# Altium PCB Pleiades_Frouf.PcbDoc (part 3 of 12)
Units mil, origin at the board's own origin, x right, y up, seen from the top; angles counter-clockwise.
Board outline 12244.09 x 4515.28 mil, 12 copper layers (TOP, GND1, IN1, GND2, POW1, GND3, POW2, GND4, GND5, IN2, GND6, BOT), stack 63.546 mil thick; 1442 components, 702 nets, 4419 pads, 1756 vias.
Unrouted connection lines stored in the file: 1088.
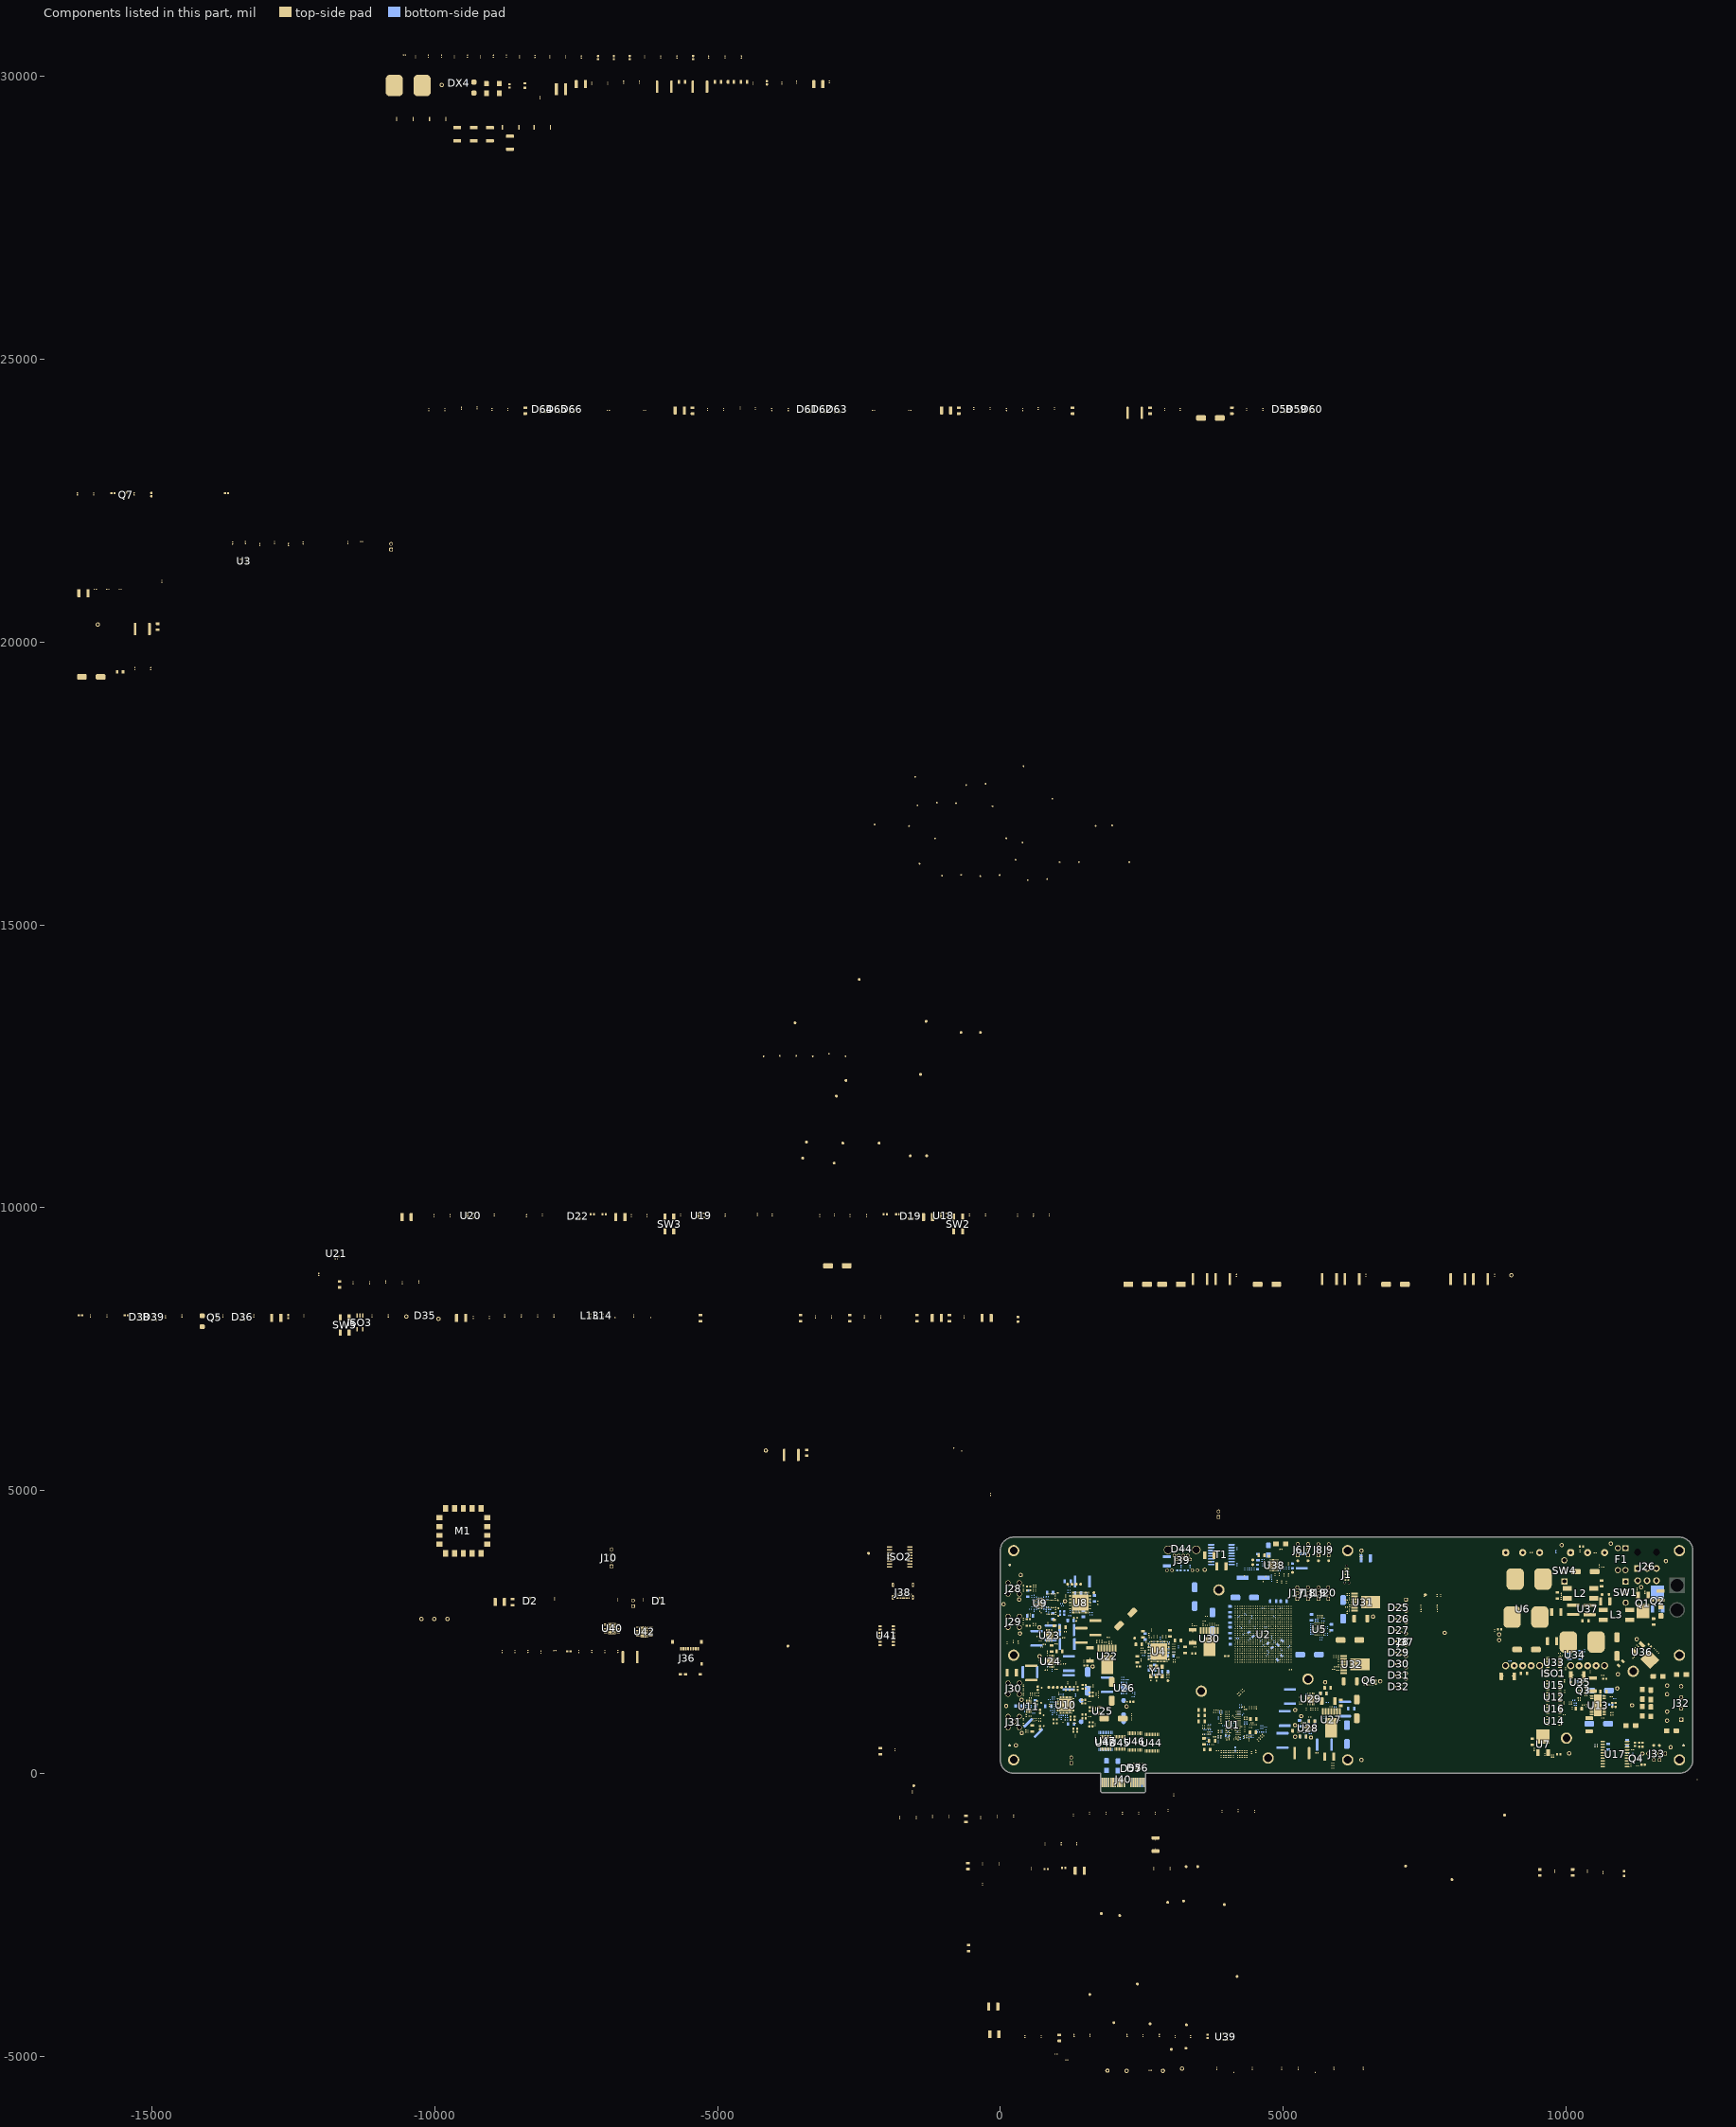
[diagram p13: the components of this part, seen from the top]

## Components (designator, comment, footprint, x,y, rotation, side; value= is the part's Value field where it differs from the comment) (continued)
TP173 "GND_PCI" TP_HOLE 2874.55,-5262.07 r90 top
TP174 "GND" TP_HOLE 3213.13,-5222.7 r90 top
TP175 "12V_PCI" TP_HOLE 1894.23,-5258.13 r90 top
TP176 "3V3_PCI" TP_HOLE 2232.81,-5262.07 r90 top
TP177 "VDD1" TP_PAD 1786.89,-2480.55 r90 top
TP178 "PCI_TCK" TP_PAD 3285,-1650 r90 top
TP179 "PCI_TDI" TP_PAD 3490,-1650 r90 top
TP180 "PCI_TDO" TP_PAD 1581.73,-3911.44 r90 top
TP181 "VDD2" TP_PAD 2110,-2515 r90 top
TP184 "PCI_TMS" TP_PAD 2007.4,-4409.68 r90 top
TP185 "PCI_TRST" TP_PAD 2649.13,-4429.37 r90 top
TP186 "PCI_PERST" TP_PAD 3290.86,-4449.05 r90 top
TP187 "PCI_WAKE" TP_PAD -3426.57,11160.63 r90 top
TP188 "PCI_SMCLK" TP_PAD -2784.84,11140.95 r90 top
TP189 "PCI_SMDAT" TP_PAD -2143.11,11140.95 r90 top
TPX1 "TP_HOLE" TP_HOLE -9877.4,29849.09 r90 top
TPX2 "TP_PAD" TP_PAD -1410.82,12357.52 r90 top
TPX3 "TP_PAD_SMALL" TP_PAD_SMALL -2221.72,16776.49 r90 top
TPX4 "TP_PAD_TINY" TP_PAD_TINY 12322.6,-110.91 r90 top
U1 "MT41K512M16HA-125 :A" FBGA-96 4110.24,858.27 r0 top locked
U2 "XC6SLX100-3FGG676C" FPGA_XILINX_FGG676 4649.61,2456.69 r90 top locked
U3 "STWD100PYW83F" SOT23-5 -13377.18,21430.99 r90 top
U4 "CDCE62005RGZT" TIM_CDCE62005RGZT 2801.18,2151.73 r180 top
U5 "XCF32PFSG48C" TFBGA-48_0.8MM_8X9 5640.26,2546.92 r180 top
U6 "IRE-12/10-Q12P-C" IRE-Q12 9235.87,2901.1 r270 bottom
U7 "NCV2931ADT5.0RKG" DPAK 9595,505.13 r0 top
U8 "ADS62P48IRGCT" ADC_ADS62P48IRGCT 1411.18,3016.76 r270 top
U9 "ADA4927-2YCPZ-R2" OPAMP_ADA4927-2YCPZ-R2 703.03,3001.79 r0 top locked
U10 "AD9146BCPZ" DAC_AD9146BCPZ 1155.16,1208.19 r90 top
U11 "AD8056ARMZ" OPAMP_AD8056ARMZ 499.39,1183 r270 top
U12 "SI8620EB-B-IS" ISO_SI8620EB-B-IS 9788.77,1349.41 r0 top
U13 "DRV8811PWPR" POW_MOTOR_DRV8811PWPR 10567.02,1200.89 r0 top
U14 "SI8620EB-B-IS" ISO_SI8620EB-B-IS 9790,925 r0 top
U15 "SI8620EB-B-IS" ISO_SI8620EB-B-IS 9788.77,1556.99 r0 top
U16 "SI8620EB-B-IS" ISO_SI8620EB-B-IS 9789.31,1139.09 r0 top
U17 "ADM3057EBRWZ" SOIC-20_7.5MM 10865.92,339.52 r0 top
U18 "TC74A0-3.3VCTTR" SEN_TEMP_TC74A0-3.3VCTTR -1001.65,9860.91 r0 top
U19 "TC74A0-3.3VCTTR" SEN_TEMP_TC74A0-3.3VCTTR -5289.05,9860.91 r0 top
U20 "TC74A0-3.3VCTTR" SEN_TEMP_TC74A0-3.3VCTTR -9367.78,9860.91 r0 top
U21 "DS2411R" SOT23-3 -11740,9187.19 r0 top
U22 "LMZ23605TZE/NOPB" REG_SWR_LMZ23605TZE/NOPB 1887.83,1922.18 r180 top value="0.8 ~ 6 V"
U23 "TPS7A4701RGWR" REG_TPS7A4701RGWR 868.84,2436.18 r0 top value="1.4 à 34V"
U24 "TPS7A4701RGWR" REG_TPS7A4701RGWR 887.68,1979.02 r0 top value="1.4 à 34V"
U25 "PTN04050AAZT" REG_SWR_PTN04050AAZT 1824.48,1099.86 r180 bottom value="-15 ~ -3.3V"
U26 "TPS7A3301RGWR" REG_LDO_TPS7A3301RGWR 2191.51,1506.45 r0 bottom value=-1.18V~-33V
U27 "LMZ23605TZE/NOPB" REG_SWR_LMZ23605TZE/NOPB 5850.46,804.48 r180 top value="0.8 ~ 6 V"
U28 "TPS51200DRCT" REG_PMIC_TPS51200DRCT 5435,797.55 r0 top value="DDR, DDR2, DDR3(L), DDR4"
U29 "TPS7A4701RGWR" REG_TPS7A4701RGWR 5489.64,1316.09 r0 top value="1.4 à 34V"
U30 "LMZ23605TZE/NOPB" REG_SWR_LMZ23605TZE/NOPB 3695,2236.93 r180 top value="0.8 ~ 6 V"
U31 "LMZ23605TZE/NOPB" REG_SWR_LMZ23605TZE/NOPB 6550.69,3025.58 r270 top value="0.8 ~ 6 V"
U32 "LMZ23605TZE/NOPB" REG_SWR_LMZ23605TZE/NOPB 6359.03,1922.19 r270 top value="0.8 ~ 6 V"
U33 "ISO7741FDBQR" ISO_ISO7741FDBQR 9788.07,1962.14 r0 top value=3/1
U34 "TLV1572ID" SOIC-8_3.8MM 10160.45,2092.44 r0 bottom
U35 "INA214AQDCKRQ1" "SC-70-6 (SOT-363)" 10246.58,1607.92 r180 bottom
U36 "NCV2931ADT5.0RKG" DPAK 11380.81,2112.61 r225 top
U37 "IRE-24/5-Q12P-C" IRE-Q12 10384.08,2901.1 r270 bottom locked
U38 "KSZ8091MNXCA" COM_ETH_PHY_KSZ8091MNXCA 4844.02,3678.37 r0 top
U39 "OPA991IDBVR" SOT23-5 3980.84,-4663.65 r0 top
U40 "INA4180A1QPWRQ1" TSSOP-14_4.4MM -6865.69,2560.83 r0 top
U41 "ADS7957QDBTRQ1" TSSOP-38_4.4MM -2009.17,2431.89 r0 top
U42 "INA4180A1QPWRQ1" TSSOP-14_4.4MM -6294.17,2501.77 r0 top
U43 "ISO7741DBQR" ISO_ISO7741DBQR 1865,535 r90 top
U44 "ADN4652BRSZ-RL7" TSSOP-20_5.3MM 2680,539.19 r90 top
U45 "SI8640EB-B-IU" ISO_SI8640EB-B-IU 2119.06,535 r90 top
U46 "ADN4652BRSZ-RL7" TSSOP-20_5.3MM 2379.58,560 r90 top
U47 "ADM3260ARSZ" TSSOP-20_5.3MM 1860,570 r270 bottom
X1 "LFXTAL010595" HC49_SMD 4470.91,3454.71 r180 bottom
Y1 "590BD-BDG" OSC_590BD-BDG 2762,1797.68 r270 top value="±7ppm (freq Stability), ±20ppm (freq stability total)"

## Footprints (in the part's own frame and the unit in brackets; to place one, negate y for a bottom-side part, rotate by r counter-clockwise, add the part's x,y. Pads: shape width x height; smd on the part's side, far side on the other; paste and mask are expansions set on the pad)
1101M2S3CQE2 [mm]
  rect 2.775x2.775 / inner round 2.775 / far side rect 2.775x2.775 hole 1.85: 1(-4.7,0)
  round 2.775 hole 1.85: 2(0,0) 3(4.7,0)
  silkscreen extent -6.35,-3.45 6.35,3.45, body extent -6.35,-3.3 6.35,3.3, height 13.35
3568 [mil] "Keystone Fuse Holder"
  rrect10% 105x105 hole 70: 1(-195,67)
  round 105 hole 70: 2(-195,-67) 3(195,-67) 4(195,67)
  round 7.5 on Mech13: ""(-195,67)
  silkscreen extent -320,-140 320,140, body extent -315,-133 315,132, height 295
0297010.WXNV [mil] "10A Fuse WITHOUT HOLDER"
  body extent -215,-78 215,70, height 642
74439346100 [mil]
  rrect25% 55x215 smd: 1(-82,0) 2(82,0)
  silkscreen extent -140,-140 145,140, body extent -131,-135 131,135, height 240
ADC_ADS62P48IRGCT [mm] "QFN, 64-Leads, Body 9,00x9,00mm, Pitch 0,50mm, Thermal Pad 7,40x7,40mm, IPC Medium Density"
  oval 0.8x0.23 smd mask+0.07: 1(-4.475,3.75) 2(-4.475,3.25) 3(-4.475,2.75) 4(-4.475,2.25) 5(-4.475,1.75) 6(-4.475,1.25) 7(-4.475,0.75) 8(-4.475,0.25) 9(-4.475,-0.25) 10(-4.475,-0.75) 11(-4.475,-1.25) 12(-4.475,-1.75) 13(-4.475,-2.25) 14(-4.475,-2.75) 15(-4.475,-3.25) 16(-4.475,-3.75) 33(4.475,-3.75) 34(4.475,-3.25) 35(4.475,-2.75) 36(4.475,-2.25) 37(4.475,-1.75) 38(4.475,-1.25) 39(4.475,-0.75) 40(4.475,-0.25) 41(4.475,0.25) 42(4.475,0.75) 43(4.475,1.25) 44(4.475,1.75) 45(4.475,2.25) 46(4.475,2.75) 47(4.475,3.25) 48(4.475,3.75)
  oval 0.23x0.8 smd mask+0.07: 17(-3.75,-4.475) 18(-3.25,-4.475) 19(-2.75,-4.475) 20(-2.25,-4.475) 21(-1.75,-4.475) 22(-1.25,-4.475) 23(-0.75,-4.475) 24(-0.25,-4.475) 25(0.25,-4.475) 26(0.75,-4.475) 27(1.25,-4.475) 28(1.75,-4.475) 29(2.25,-4.475) 30(2.75,-4.475) 31(3.25,-4.475) 32(3.75,-4.475) 49(3.75,4.475) 50(3.25,4.475) 51(2.75,4.475) 52(2.25,4.475) 53(1.75,4.475) 54(1.25,4.475) 55(0.75,4.475) 56(0.25,4.475) 57(-0.25,4.475) 58(-0.75,4.475) 59(-1.25,4.475) 60(-1.75,4.475) 61(-2.25,4.475) 62(-2.75,4.475) 63(-3.25,4.475) 64(-3.75,4.475)
  rect 7.4x7.4 smd mask+0.07: PAD(0,0)
  silkscreen extent -5.5,-4.72 4.72,4.72, body extent -4.58,-4.57 4.57,4.57, height 1
ATS-CPX025025015-166-C1-R0 [mm]
  round 5.08 hole 3.429: 1(-15,15) 2(15,-15)
  TOP keep-out region: 15,-20.08 13.056,-19.693 11.408,-18.592 10.307,-16.944 9.92,-15 9.92,-15 10.307,-13.056 11.408,-11.408 13.056,-10.307 15,-9.92 15,-9.92 16.944,-10.307 18.592,-11.408 19.693,-13.056 20.08,-15 20.08,-15 19.693,-16.944 18.592,-18.592 16.944,-19.693 15,-20.08
  TOP keep-out region: -15,9.92 -16.944,10.307 -18.592,11.408 -19.693,13.056 -20.08,15 -20.08,15 -19.693,16.944 -18.592,18.592 -16.944,19.693 -15,20.08 -15,20.08 -13.056,19.693 -11.408,18.592 -10.307,16.944 -9.92,15 -9.92,15 -10.307,13.056 -11.408,11.408 -13.056,10.307 -15,9.92
  BOT keep-out region: 15,-20.08 13.056,-19.693 11.408,-18.592 10.307,-16.944 9.92,-15 9.92,-15 10.307,-13.056 11.408,-11.408 13.056,-10.307 15,-9.92 15,-9.92 16.944,-10.307 18.592,-11.408 19.693,-13.056 20.08,-15 20.08,-15 19.693,-16.944 18.592,-18.592 16.944,-19.693 15,-20.08
  BOT keep-out region: -15,9.92 -16.944,10.307 -18.592,11.408 -19.693,13.056 -20.08,15 -20.08,15 -19.693,16.944 -18.592,18.592 -16.944,19.693 -15,20.08 -15,20.08 -13.056,19.693 -11.408,18.592 -10.307,16.944 -9.92,15 -9.92,15 -10.307,13.056 -11.408,11.408 -13.056,10.307 -15,9.92
  silkscreen extent -20.08,-20.08 20.08,20.08, body extent -18.3,-18.29 18.29,18.29, height 17.23
ATS-H1-152-C2-R0 [mm]
  round 5.08 hole 3.429: 1(-20,20) 2(20,-20)
  TOP keep-out region: -20,14.92 -21.944,15.307 -23.592,16.408 -24.693,18.056 -25.08,20 -25.08,20 -24.693,21.944 -23.592,23.592 -21.944,24.693 -20,25.08 -20,25.08 -18.056,24.693 -16.408,23.592 -15.307,21.944 -14.92,20 -14.92,20 -15.307,18.056 -16.408,16.408 -18.056,15.307 -20,14.92
  TOP keep-out region: 20,-25.08 18.056,-24.693 16.408,-23.592 15.307,-21.944 14.92,-20 14.92,-20 15.307,-18.056 16.408,-16.408 18.056,-15.307 20,-14.92 20,-14.92 21.944,-15.307 23.592,-16.408 24.693,-18.056 25.08,-20 25.08,-20 24.693,-21.944 23.592,-23.592 21.944,-24.693 20,-25.08
  BOT keep-out region: -20,14.92 -21.944,15.307 -23.592,16.408 -24.693,18.056 -25.08,20 -25.08,20 -24.693,21.944 -23.592,23.592 -21.944,24.693 -20,25.08 -20,25.08 -18.056,24.693 -16.408,23.592 -15.307,21.944 -14.92,20 -14.92,20 -15.307,18.056 -16.408,16.408 -18.056,15.307 -20,14.92
  BOT keep-out region: 20,-25.08 18.056,-24.693 16.408,-23.592 15.307,-21.944 14.92,-20 14.92,-20 15.307,-18.056 16.408,-16.408 18.056,-15.307 20,-14.92 20,-14.92 21.944,-15.307 23.592,-16.408 24.693,-18.056 25.08,-20 25.08,-20 24.693,-21.944 23.592,-23.592 21.944,-24.693 20,-25.08
  silkscreen extent -25.08,-25.08 25.08,25.08, body extent -24.13,-24.13 24.13,24.13, height 38.5
CAP_0402 [mil]
  rrect50% 20x20 smd paste+0 mask+1.97: 1(-17.5,0) 2(17.5,0)
  silkscreen extent -33,-16 33,16, body extent -19,-10 20,10, height 20
CAP_0603 [mm]
  rrect37% 0.95x0.95 smd: 1(-0.724,0) 2(0.724,0)
  silkscreen extent -1.52,-0.76 1.53,0.77, body extent -0.8,-0.4 0.8,0.4, height 0.9
CAP_1206 [mil]
  rrect25% 44x64 smd: 1(-53,0) 2(53,0)
  silkscreen extent -88,-45 88,45, body extent -63,-31 63,31, height 40
CAP_1812 [mil]
  rrect25% 55x140 smd: 1(-81,0) 2(81,0)
  silkscreen extent -116,-77 116,77, body extent -89,-63 89,63, height 43
CAP_2220 [mil]
  rrect50% 45x215 smd: 1(-127,0) 2(127,0)
  silkscreen extent -160,-115 160,115, body extent -112,-100 112,100, height 138
CAP_ALU_1010_vishay [mm]
  rrect50% 4.4x2.5 smd: 1(8.4,0) 2(0,0)
  silkscreen extent -0.73,-6.05 11.22,5.28, body extent -1.4,-5.18 10.2,5.13, height 10.2
CAP_ALU_1616_vishay [mm]
  rrect50% 7.8x9.6 smd: 1(12.5,0) 2(0,0)
  silkscreen extent -2.7,-8.42 16.68,8.6, body extent -2.7,-8.4 15,8.6, height 16.5
COM_ETH_PHY_KSZ8091MNXCA [mm]
  rect 0.8x0.25 smd: 1(-2.45,1.75) 2(-2.45,1.25) 3(-2.45,0.75) 4(-2.45,0.25) 5(-2.45,-0.25) 6(-2.45,-0.75) 7(-2.45,-1.25) 8(-2.45,-1.75) 17(2.45,-1.75) 18(2.45,-1.25) 19(2.45,-0.75) 20(2.45,-0.25) 21(2.45,0.25) 22(2.45,0.75) 23(2.45,1.25) 24(2.45,1.75)
  rect 0.25x0.8 smd: 9(-1.75,-2.45) 10(-1.25,-2.45) 11(-0.75,-2.45) 12(-0.25,-2.45) 13(0.25,-2.45) 14(0.75,-2.45) 15(1.25,-2.45) 16(1.75,-2.45) 25(1.75,2.45) 26(1.25,2.45) 27(0.75,2.45) 28(0.25,2.45) 29(-0.25,2.45) 30(-0.75,2.45) 31(-1.25,2.45) 32(-1.75,2.45)
  rrect0% 3.4x3.4 smd: 33(0,0)
  round 0.6 hole 0.35: 34(-1.07,1.07) 35(0,1.07) 36(1.07,1.07) 37(-1.07,0) 38(0,0) 39(1.07,0) 40(-1.07,-1.07) 41(0,-1.07) 42(1.07,-1.07)
  silkscreen extent -3.48,-2.98 2.98,2.98, body extent -2.5,-2.5 2.5,2.5, height 0.9
CON_MINIFIT_0039300060 [mm]
  round 0 hole 2.997 unplated mask+0.07: 0(-4.2,2.718) 0(4.2,2.718)
  rect 3x3 hole 1.803 mask+0.07: 1(-4.2,-4.583)
  round 3 hole 1.803 mask+0.07: 2(0,-4.583) 3(4.2,-4.583) 4(-4.2,-10.082) 5(0,-10.082) 6(4.2,-10.082)
  silkscreen extent -7.37,-3.3 6.98,9.4, body extent -7.3,-10.62 6.9,9.32, height 11.4
CONN_ETHERNET_RJHSE-5385 [mil] "Ethernet connector with LEDs"
  round 150 hole 128: 0(-250,-100) 0(250,-100)
  oct 60x60 hole 35: 1(140,0)
  round 60 hole 35: 2(100,70) 3(60,0) 4(20,70) 5(-20,0) 6(-60,70) 7(-100,0) 8(-140,70) 9(270,260) 10(180,260) 11(-180,260) 12(-270,260)
  silkscreen extent -330,-300 335,300, body extent -329,-325 334,313, height 597
CONN_SMA_5-1814400-1 [mm] "SMA Right Angle Jack, 14.8x6.35x9.6mm"
  round 2.2 hole 1.65: 1(0,0) 2(-2.54,2.54) 3(2.54,2.54) 4(-2.54,-2.54) 5(2.54,-2.54)
  silkscreen extent -3.17,-3.17 3.17,3.17, body extent -3.15,-3.16 3.18,11.04, height 10.47
CONN_TERMINAL_OSTTA040161 [mm] "4-pins terminal block"
  rect 1.905x1.905 hole 1.3 mask+0.12: 1(-7.5,0)
  round 1.905 hole 1.3 mask+0.12: 2(-2.5,0) 3(2.5,0) 4(7.5,0)
  silkscreen extent -10.6,-4 10.6,5, body extent -10.67,-3.3 10.49,4.2, height 10.08
DAC_AD9146BCPZ [mm] "QFN, 48-Leads, Body 7x7mm, Pitch 0.5mm, Thermal Pad 5.6x5.6mm, IPC Medium Density"
  oval 0.85x0.28 smd mask+0.07: 1(-3.475,2.75) 2(-3.475,2.25) 3(-3.475,1.75) 4(-3.475,1.25) 5(-3.475,0.75) 6(-3.475,0.25) 7(-3.475,-0.25) 8(-3.475,-0.75) 9(-3.475,-1.25) 10(-3.475,-1.75) 11(-3.475,-2.25) 12(-3.475,-2.75) 25(3.475,-2.75) 26(3.475,-2.25) 27(3.475,-1.75) 28(3.475,-1.25) 29(3.475,-0.75) 30(3.475,-0.25) 31(3.475,0.25) 32(3.475,0.75) 33(3.475,1.25) 34(3.475,1.75) 35(3.475,2.25) 36(3.475,2.75)
  oval 0.28x0.85 smd mask+0.07: 13(-2.75,-3.475) 14(-2.25,-3.475) 15(-1.75,-3.475) 16(-1.25,-3.475) 17(-0.75,-3.475) 18(-0.25,-3.475) 19(0.25,-3.475) 20(0.75,-3.475) 21(1.25,-3.475) 22(1.75,-3.475) 23(2.25,-3.475) 24(2.75,-3.475) 37(2.75,3.475) 38(2.25,3.475) 39(1.75,3.475) 40(1.25,3.475) 41(0.75,3.475) 42(0.25,3.475) 43(-0.25,3.475) 44(-0.75,3.475) 45(-1.25,3.475) 46(-1.75,3.475) 47(-2.25,3.475) 48(-2.75,3.475)
  rect 5.6x5.6 smd mask+0.07: PAD(0,0)
  silkscreen extent -4.47,-3.7 3.7,3.7, body extent -3.55,-3.55 3.55,3.55, height 0.8
DLM11SN900HY2L [mil]
  rrect10% 28x12 smd: 1(-24.61,10.83)
  rrect25% 28x12 smd: 2(24.61,10.83) 3(24.61,-10.83) 4(-24.61,-10.83)
  round 7.5 on Mech13: ""(-24.61,10.83)
  silkscreen extent -24,-25 24,25, body extent -25,-20 25,20, height 24
"DO214AA (SMB)" [mil]
  rect 97x85 smd: 1(-85,0)
  rrect33% 97x85 smd: 2(85,0)
  silkscreen extent -142,-88 152,71, body extent -102,-71 102,71, height 94
DPAK [mil]
  rect 62x120 smd: 1(-90,-141) 2(90,-141)
  rect 230x250 smd paste-999: 3(0,145)
  silkscreen extent -148,-146 129,296, body extent -129,-177 129,215, height 90
FAN_HEADER-4 [mil] "0470531000"
  rrect33% 65x65 hole 44: 1(-150,0)
  round 65 hole 44: 2(-50,0) 3(50,0) 4(150,0)
  round 50 hole 50 unplated: -(50,85.04)
  silkscreen extent -200,-157 200,108, body extent -201,-130 201,100, height 394
FBGA-96 [mm]
  rrect75% 0.4x0.4 smd paste-25.375: A1(-3.2,6)
  round 0.4 smd paste-25.375: A2(-2.4,6) A3(-1.6,6) A7(1.6,6) A8(2.4,6) A9(3.2,6) B1(-3.2,5.2) B2(-2.4,5.2) B3(-1.6,5.2) B7(1.6,5.2) B8(2.4,5.2) B9(3.2,5.2) C1(-3.2,4.4) C2(-2.4,4.4) C3(-1.6,4.4) C7(1.6,4.4) C8(2.4,4.4) C9(3.2,4.4) D1(-3.2,3.6) D2(-2.4,3.6) D3(-1.6,3.6) D7(1.6,3.6) D8(2.4,3.6) D9(3.2,3.6) E1(-3.2,2.8) E2(-2.4,2.8) E3(-1.6,2.8) E7(1.6,2.8) E8(2.4,2.8) E9(3.2,2.8) F1(-3.2,2) F2(-2.4,2) F3(-1.6,2) F7(1.6,2) F8(2.4,2) F9(3.2,2) G1(-3.2,1.2) G2(-2.4,1.2) G3(-1.6,1.2) G7(1.6,1.2) G8(2.4,1.2) G9(3.2,1.2) H1(-3.2,0.4) H2(-2.4,0.4) H3(-1.6,0.4) H7(1.6,0.4) H8(2.4,0.4) H9(3.2,0.4) J1(-3.2,-0.4) J2(-2.4,-0.4) J3(-1.6,-0.4) J7(1.6,-0.4) J8(2.4,-0.4) J9(3.2,-0.4) K1(-3.2,-1.2) K2(-2.4,-1.2) K3(-1.6,-1.2) K7(1.6,-1.2) K8(2.4,-1.2) K9(3.2,-1.2) L1(-3.2,-2) L2(-2.4,-2) L3(-1.6,-2) L7(1.6,-2) L8(2.4,-2) L9(3.2,-2) M1(-3.2,-2.8) M2(-2.4,-2.8) M3(-1.6,-2.8) M7(1.6,-2.8) M8(2.4,-2.8) M9(3.2,-2.8) N1(-3.2,-3.6) N2(-2.4,-3.6) N3(-1.6,-3.6) N7(1.6,-3.6) N8(2.4,-3.6) N9(3.2,-3.6) P1(-3.2,-4.4) P2(-2.4,-4.4) P3(-1.6,-4.4) P7(1.6,-4.4) P8(2.4,-4.4) P9(3.2,-4.4) R1(-3.2,-5.2) R2(-2.4,-5.2) R3(-1.6,-5.2) R7(1.6,-5.2) R8(2.4,-5.2) R9(3.2,-5.2) T1(-3.2,-6) T2(-2.4,-6) T3(-1.6,-6) T7(1.6,-6) T8(2.4,-6) T9(3.2,-6)
  silkscreen extent -4.57,-7.09 4.57,7.09, body extent -4.5,-7 4.5,7, height 1.11
FIDUCIAL [mil]
  round 40 smd paste-999 mask+40: 1(0,0)
  silkscreen extent -65,-65 65,65
FPGA_XILINX_FGG676 [mm]
  round 0.45 smd mask+0.05: A1(-12.5,12.5) A2(-11.5,12.5) A3(-10.5,12.5) A4(-9.5,12.5) A5(-8.5,12.5) A6(-7.5,12.5) A7(-6.5,12.5) A8(-5.5,12.5) A9(-4.5,12.5) A10(-3.5,12.5) A11(-2.5,12.5) A12(-1.5,12.5) A13(-0.5,12.5) A14(0.5,12.5) A15(1.5,12.5) A16(2.5,12.5) A17(3.5,12.5) A18(4.5,12.5) A19(5.5,12.5) A20(6.5,12.5) A21(7.5,12.5) A22(8.5,12.5) A23(9.5,12.5) A24(10.5,12.5) A25(11.5,12.5) A26(12.5,12.5) AA1(-12.5,-7.5) AA2(-11.5,-7.5) AA3(-10.5,-7.5) AA4(-9.5,-7.5) AA5(-8.5,-7.5) AA6(-7.5,-7.5) AA7(-6.5,-7.5) AA8(-5.5,-7.5) AA9(-4.5,-7.5) AA10(-3.5,-7.5) AA11(-2.5,-7.5) AA12(-1.5,-7.5) AA13(-0.5,-7.5) AA14(0.5,-7.5) AA15(1.5,-7.5) AA16(2.5,-7.5) AA17(3.5,-7.5) AA18(4.5,-7.5) AA19(5.5,-7.5) AA20(6.5,-7.5) AA21(7.5,-7.5) AA22(8.5,-7.5) AA23(9.5,-7.5) AA24(10.5,-7.5) AA25(11.5,-7.5) AA26(12.5,-7.5) AB1(-12.5,-8.5) AB2(-11.5,-8.5) AB3(-10.5,-8.5) AB4(-9.5,-8.5) AB5(-8.5,-8.5) AB6(-7.5,-8.5) AB7(-6.5,-8.5) AB8(-5.5,-8.5) AB9(-4.5,-8.5) AB10(-3.5,-8.5) AB11(-2.5,-8.5) AB12(-1.5,-8.5) AB13(-0.5,-8.5) AB14(0.5,-8.5) AB15(1.5,-8.5) AB16(2.5,-8.5) AB17(3.5,-8.5) AB18(4.5,-8.5) AB19(5.5,-8.5) AB20(6.5,-8.5) AB21(7.5,-8.5) AB22(8.5,-8.5) AB23(9.5,-8.5) AB24(10.5,-8.5) AB25(11.5,-8.5) AB26(12.5,-8.5) AC1(-12.5,-9.5) AC2(-11.5,-9.5) AC3(-10.5,-9.5) AC4(-9.5,-9.5) AC5(-8.5,-9.5) AC6(-7.5,-9.5) AC7(-6.5,-9.5) AC8(-5.5,-9.5) AC9(-4.5,-9.5) AC10(-3.5,-9.5) AC11(-2.5,-9.5) AC12(-1.5,-9.5) AC13(-0.5,-9.5) AC14(0.5,-9.5) AC15(1.5,-9.5) AC16(2.5,-9.5) AC17(3.5,-9.5) AC18(4.5,-9.5) AC19(5.5,-9.5) AC20(6.5,-9.5) AC21(7.5,-9.5) AC22(8.5,-9.5) AC23(9.5,-9.5) AC24(10.5,-9.5) AC25(11.5,-9.5) AC26(12.5,-9.5) AD1(-12.5,-10.5) AD2(-11.5,-10.5) AD3(-10.5,-10.5) AD4(-9.5,-10.5) AD5(-8.5,-10.5) AD6(-7.5,-10.5) AD7(-6.5,-10.5) AD8(-5.5,-10.5) AD9(-4.5,-10.5) AD10(-3.5,-10.5) AD11(-2.5,-10.5) AD12(-1.5,-10.5) AD13(-0.5,-10.5) AD14(0.5,-10.5) AD15(1.5,-10.5) AD16(2.5,-10.5) AD17(3.5,-10.5) AD18(4.5,-10.5) AD19(5.5,-10.5) AD20(6.5,-10.5) AD21(7.5,-10.5) AD22(8.5,-10.5) AD23(9.5,-10.5) AD24(10.5,-10.5) AD25(11.5,-10.5) AD26(12.5,-10.5) AE1(-12.5,-11.5) AE2(-11.5,-11.5) AE3(-10.5,-11.5) AE4(-9.5,-11.5) AE5(-8.5,-11.5) AE6(-7.5,-11.5) AE7(-6.5,-11.5) AE8(-5.5,-11.5) AE9(-4.5,-11.5) AE10(-3.5,-11.5) AE11(-2.5,-11.5) AE12(-1.5,-11.5) AE13(-0.5,-11.5) AE14(0.5,-11.5) AE15(1.5,-11.5) AE16(2.5,-11.5) AE17(3.5,-11.5) AE18(4.5,-11.5) AE19(5.5,-11.5) AE20(6.5,-11.5) AE21(7.5,-11.5) AE22(8.5,-11.5) AE23(9.5,-11.5) AE24(10.5,-11.5) AE25(11.5,-11.5) AE26(12.5,-11.5) AF1(-12.5,-12.5) AF2(-11.5,-12.5) AF3(-10.5,-12.5) AF4(-9.5,-12.5) AF5(-8.5,-12.5) AF6(-7.5,-12.5) AF7(-6.5,-12.5) AF8(-5.5,-12.5) AF9(-4.5,-12.5) AF10(-3.5,-12.5) AF11(-2.5,-12.5) AF12(-1.5,-12.5) AF13(-0.5,-12.5) AF14(0.5,-12.5) AF15(1.5,-12.5) AF16(2.5,-12.5) AF17(3.5,-12.5) AF18(4.5,-12.5) AF19(5.5,-12.5) AF20(6.5,-12.5) AF21(7.5,-12.5) AF22(8.5,-12.5) AF23(9.5,-12.5) AF24(10.5,-12.5) AF25(11.5,-12.5) AF26(12.5,-12.5) B1(-12.5,11.5) B2(-11.5,11.5) B3(-10.5,11.5) B4(-9.5,11.5) B5(-8.5,11.5) B6(-7.5,11.5) B7(-6.5,11.5) B8(-5.5,11.5) B9(-4.5,11.5) B10(-3.5,11.5) B11(-2.5,11.5) B12(-1.5,11.5) B13(-0.5,11.5) B14(0.5,11.5) B15(1.5,11.5) B16(2.5,11.5) B17(3.5,11.5) B18(4.5,11.5) B19(5.5,11.5) B20(6.5,11.5) B21(7.5,11.5) B22(8.5,11.5) B23(9.5,11.5) B24(10.5,11.5) B25(11.5,11.5) B26(12.5,11.5) C1(-12.5,10.5) C2(-11.5,10.5) C3(-10.5,10.5) C4(-9.5,10.5) C5(-8.5,10.5) C6(-7.5,10.5) C7(-6.5,10.5) C8(-5.5,10.5) C9(-4.5,10.5) C10(-3.5,10.5) C11(-2.5,10.5) C12(-1.5,10.5) C13(-0.5,10.5) C14(0.5,10.5) C15(1.5,10.5) C16(2.5,10.5) C17(3.5,10.5) C18(4.5,10.5) C19(5.5,10.5) C20(6.5,10.5) C21(7.5,10.5) C22(8.5,10.5) C23(9.5,10.5) C24(10.5,10.5) C25(11.5,10.5) C26(12.5,10.5) D1(-12.5,9.5) D2(-11.5,9.5) D3(-10.5,9.5) D4(-9.5,9.5) D5(-8.5,9.5) D6(-7.5,9.5) D7(-6.5,9.5) D8(-5.5,9.5) D9(-4.5,9.5) D10(-3.5,9.5) D11(-2.5,9.5) D12(-1.5,9.5) D13(-0.5,9.5) D14(0.5,9.5) D15(1.5,9.5) D16(2.5,9.5) D17(3.5,9.5) D18(4.5,9.5) D19(5.5,9.5) D20(6.5,9.5) D21(7.5,9.5) D22(8.5,9.5) D23(9.5,9.5) D24(10.5,9.5) D25(11.5,9.5) D26(12.5,9.5) E1(-12.5,8.5) E2(-11.5,8.5) E3(-10.5,8.5) E4(-9.5,8.5) E5(-8.5,8.5) E6(-7.5,8.5) E7(-6.5,8.5) E8(-5.5,8.5) E9(-4.5,8.5) E10(-3.5,8.5) E11(-2.5,8.5) E12(-1.5,8.5) E13(-0.5,8.5) E14(0.5,8.5) E15(1.5,8.5) E16(2.5,8.5) E17(3.5,8.5) E18(4.5,8.5) E19(5.5,8.5) E20(6.5,8.5) E21(7.5,8.5) E22(8.5,8.5) E23(9.5,8.5) E24(10.5,8.5) E25(11.5,8.5) E26(12.5,8.5) F1(-12.5,7.5) F2(-11.5,7.5) F3(-10.5,7.5) F4(-9.5,7.5) F5(-8.5,7.5) F6(-7.5,7.5) F7(-6.5,7.5) F8(-5.5,7.5) F9(-4.5,7.5) F10(-3.5,7.5) F11(-2.5,7.5) F12(-1.5,7.5) F13(-0.5,7.5) F14(0.5,7.5) F15(1.5,7.5) F16(2.5,7.5) F17(3.5,7.5) F18(4.5,7.5) F19(5.5,7.5) F20(6.5,7.5) F21(7.5,7.5) F22(8.5,7.5) F23(9.5,7.5) F24(10.5,7.5) F25(11.5,7.5) F26(12.5,7.5) G1(-12.5,6.5) G2(-11.5,6.5) G3(-10.5,6.5) G4(-9.5,6.5) G5(-8.5,6.5) G6(-7.5,6.5) G7(-6.5,6.5) G8(-5.5,6.5) G9(-4.5,6.5) G10(-3.5,6.5) G11(-2.5,6.5) G12(-1.5,6.5) G13(-0.5,6.5) G14(0.5,6.5) G15(1.5,6.5) G16(2.5,6.5) G17(3.5,6.5) G18(4.5,6.5) G19(5.5,6.5) G20(6.5,6.5) G21(7.5,6.5) G22(8.5,6.5) G23(9.5,6.5) G24(10.5,6.5) G25(11.5,6.5) G26(12.5,6.5) H1(-12.5,5.5) H2(-11.5,5.5) H3(-10.5,5.5) H4(-9.5,5.5) H5(-8.5,5.5) H6(-7.5,5.5) H7(-6.5,5.5) H8(-5.5,5.5) H9(-4.5,5.5) H10(-3.5,5.5) H11(-2.5,5.5) H12(-1.5,5.5) H13(-0.5,5.5) H14(0.5,5.5) H15(1.5,5.5) H16(2.5,5.5) H17(3.5,5.5) H18(4.5,5.5) H19(5.5,5.5) H20(6.5,5.5) H21(7.5,5.5) H22(8.5,5.5) H23(9.5,5.5) H24(10.5,5.5) H25(11.5,5.5) H26(12.5,5.5) J1(-12.5,4.5) J2(-11.5,4.5) J3(-10.5,4.5) J4(-9.5,4.5) J5(-8.5,4.5) J6(-7.5,4.5) J7(-6.5,4.5) J8(-5.5,4.5) J9(-4.5,4.5) J10(-3.5,4.5) J11(-2.5,4.5) J12(-1.5,4.5) J13(-0.5,4.5) J14(0.5,4.5) J15(1.5,4.5) J16(2.5,4.5) J17(3.5,4.5) J18(4.5,4.5) J19(5.5,4.5) J20(6.5,4.5) J21(7.5,4.5) J22(8.5,4.5) J23(9.5,4.5) J24(10.5,4.5) J25(11.5,4.5) J26(12.5,4.5) K1(-12.5,3.5) K2(-11.5,3.5) K3(-10.5,3.5) K4(-9.5,3.5) K5(-8.5,3.5) K6(-7.5,3.5) K7(-6.5,3.5) K8(-5.5,3.5) K9(-4.5,3.5) K10(-3.5,3.5) K11(-2.5,3.5) K12(-1.5,3.5) K13(-0.5,3.5) K14(0.5,3.5) K15(1.5,3.5) K16(2.5,3.5) K17(3.5,3.5) K18(4.5,3.5) K19(5.5,3.5) K20(6.5,3.5) K21(7.5,3.5) K22(8.5,3.5) K23(9.5,3.5) K24(10.5,3.5) K25(11.5,3.5) K26(12.5,3.5) L1(-12.5,2.5) L2(-11.5,2.5) L3(-10.5,2.5) L4(-9.5,2.5) L5(-8.5,2.5) L6(-7.5,2.5) L7(-6.5,2.5) L8(-5.5,2.5) L9(-4.5,2.5) L10(-3.5,2.5) L11(-2.5,2.5) L12(-1.5,2.5) L13(-0.5,2.5) L14(0.5,2.5) L15(1.5,2.5) L16(2.5,2.5) L17(3.5,2.5) L18(4.5,2.5) L19(5.5,2.5) L20(6.5,2.5) L21(7.5,2.5) L22(8.5,2.5) L23(9.5,2.5) L24(10.5,2.5) L25(11.5,2.5) L26(12.5,2.5) M1(-12.5,1.5) M2(-11.5,1.5) M3(-10.5,1.5) M4(-9.5,1.5) M5(-8.5,1.5) M6(-7.5,1.5) M7(-6.5,1.5) M8(-5.5,1.5) M9(-4.5,1.5) M10(-3.5,1.5) M11(-2.5,1.5) M12(-1.5,1.5) M13(-0.5,1.5) M14(0.5,1.5) M15(1.5,1.5) M16(2.5,1.5) M17(3.5,1.5) M18(4.5,1.5) M19(5.5,1.5) M20(6.5,1.5) M21(7.5,1.5) M22(8.5,1.5) M23(9.5,1.5) M24(10.5,1.5) M25(11.5,1.5) M26(12.5,1.5) N1(-12.5,0.5) N2(-11.5,0.5) N3(-10.5,0.5) N4(-9.5,0.5) N5(-8.5,0.5) N6(-7.5,0.5) N7(-6.5,0.5) N8(-5.5,0.5) N9(-4.5,0.5) N10(-3.5,0.5) N11(-2.5,0.5) N12(-1.5,0.5) N13(-0.5,0.5) N14(0.5,0.5) N15(1.5,0.5) N16(2.5,0.5) N17(3.5,0.5) N18(4.5,0.5) N19(5.5,0.5) N20(6.5,0.5) N21(7.5,0.5) N22(8.5,0.5) N23(9.5,0.5) N24(10.5,0.5) N25(11.5,0.5) N26(12.5,0.5) P1(-12.5,-0.5) P2(-11.5,-0.5) P3(-10.5,-0.5) P4(-9.5,-0.5) P5(-8.5,-0.5) P6(-7.5,-0.5) P7(-6.5,-0.5) P8(-5.5,-0.5) P9(-4.5,-0.5) P10(-3.5,-0.5) P11(-2.5,-0.5) P12(-1.5,-0.5) P13(-0.5,-0.5) P14(0.5,-0.5) P15(1.5,-0.5) P16(2.5,-0.5) P17(3.5,-0.5) P18(4.5,-0.5) P19(5.5,-0.5) P20(6.5,-0.5) P21(7.5,-0.5) P22(8.5,-0.5) P23(9.5,-0.5) P24(10.5,-0.5) P25(11.5,-0.5) P26(12.5,-0.5) R1(-12.5,-1.5) R2(-11.5,-1.5) R3(-10.5,-1.5) R4(-9.5,-1.5) R5(-8.5,-1.5) R6(-7.5,-1.5) R7(-6.5,-1.5) R8(-5.5,-1.5) R9(-4.5,-1.5) R10(-3.5,-1.5) R11(-2.5,-1.5) R12(-1.5,-1.5) R13(-0.5,-1.5) R14(0.5,-1.5) R15(1.5,-1.5) R16(2.5,-1.5) R17(3.5,-1.5) R18(4.5,-1.5) R19(5.5,-1.5) R20(6.5,-1.5) R21(7.5,-1.5) R22(8.5,-1.5) R23(9.5,-1.5) R24(10.5,-1.5) R25(11.5,-1.5) R26(12.5,-1.5) T1(-12.5,-2.5) T2(-11.5,-2.5) T3(-10.5,-2.5) T4(-9.5,-2.5) T5(-8.5,-2.5) T6(-7.5,-2.5) T7(-6.5,-2.5) T8(-5.5,-2.5) T9(-4.5,-2.5) T10(-3.5,-2.5) T11(-2.5,-2.5) T12(-1.5,-2.5) T13(-0.5,-2.5) T14(0.5,-2.5) T15(1.5,-2.5) T16(2.5,-2.5) T17(3.5,-2.5) T18(4.5,-2.5) T19(5.5,-2.5) T20(6.5,-2.5) T21(7.5,-2.5) T22(8.5,-2.5) T23(9.5,-2.5) T24(10.5,-2.5) T25(11.5,-2.5) T26(12.5,-2.5) U1(-12.5,-3.5) U2(-11.5,-3.5) U3(-10.5,-3.5) U4(-9.5,-3.5) U5(-8.5,-3.5) U6(-7.5,-3.5) U7(-6.5,-3.5) U8(-5.5,-3.5) U9(-4.5,-3.5) U10(-3.5,-3.5) U11(-2.5,-3.5) U12(-1.5,-3.5) U13(-0.5,-3.5) U14(0.5,-3.5) U15(1.5,-3.5) U16(2.5,-3.5) U17(3.5,-3.5) U18(4.5,-3.5) U19(5.5,-3.5) U20(6.5,-3.5) U21(7.5,-3.5) U22(8.5,-3.5) U23(9.5,-3.5) U24(10.5,-3.5) U25(11.5,-3.5) U26(12.5,-3.5) V1(-12.5,-4.5) V2(-11.5,-4.5) V3(-10.5,-4.5) V4(-9.5,-4.5) V5(-8.5,-4.5) V6(-7.5,-4.5) V7(-6.5,-4.5) V8(-5.5,-4.5) V9(-4.5,-4.5) V10(-3.5,-4.5) V11(-2.5,-4.5) V12(-1.5,-4.5) V13(-0.5,-4.5) V14(0.5,-4.5) V15(1.5,-4.5) V16(2.5,-4.5) V17(3.5,-4.5) V18(4.5,-4.5) V19(5.5,-4.5) V20(6.5,-4.5) V21(7.5,-4.5) V22(8.5,-4.5) V23(9.5,-4.5) V24(10.5,-4.5) V25(11.5,-4.5) V26(12.5,-4.5) W1(-12.5,-5.5) W2(-11.5,-5.5) W3(-10.5,-5.5) W4(-9.5,-5.5) W5(-8.5,-5.5) W6(-7.5,-5.5) W7(-6.5,-5.5) W8(-5.5,-5.5) W9(-4.5,-5.5) W10(-3.5,-5.5) W11(-2.5,-5.5) W12(-1.5,-5.5) W13(-0.5,-5.5) W14(0.5,-5.5) W15(1.5,-5.5) W16(2.5,-5.5) W17(3.5,-5.5) W18(4.5,-5.5) W19(5.5,-5.5) W20(6.5,-5.5) W21(7.5,-5.5) W22(8.5,-5.5) W23(9.5,-5.5) W24(10.5,-5.5) W25(11.5,-5.5) W26(12.5,-5.5) Y1(-12.5,-6.5) Y2(-11.5,-6.5) Y3(-10.5,-6.5) Y4(-9.5,-6.5) Y5(-8.5,-6.5) Y6(-7.5,-6.5) Y7(-6.5,-6.5) Y8(-5.5,-6.5) Y9(-4.5,-6.5) Y10(-3.5,-6.5) Y11(-2.5,-6.5) Y12(-1.5,-6.5) Y13(-0.5,-6.5) Y14(0.5,-6.5) Y15(1.5,-6.5) Y16(2.5,-6.5) Y17(3.5,-6.5) Y18(4.5,-6.5) Y19(5.5,-6.5) Y20(6.5,-6.5) Y21(7.5,-6.5) Y22(8.5,-6.5) Y23(9.5,-6.5) Y24(10.5,-6.5) Y25(11.5,-6.5) Y26(12.5,-6.5)